# KiCad board issue22475.kicad_pcb (continued)
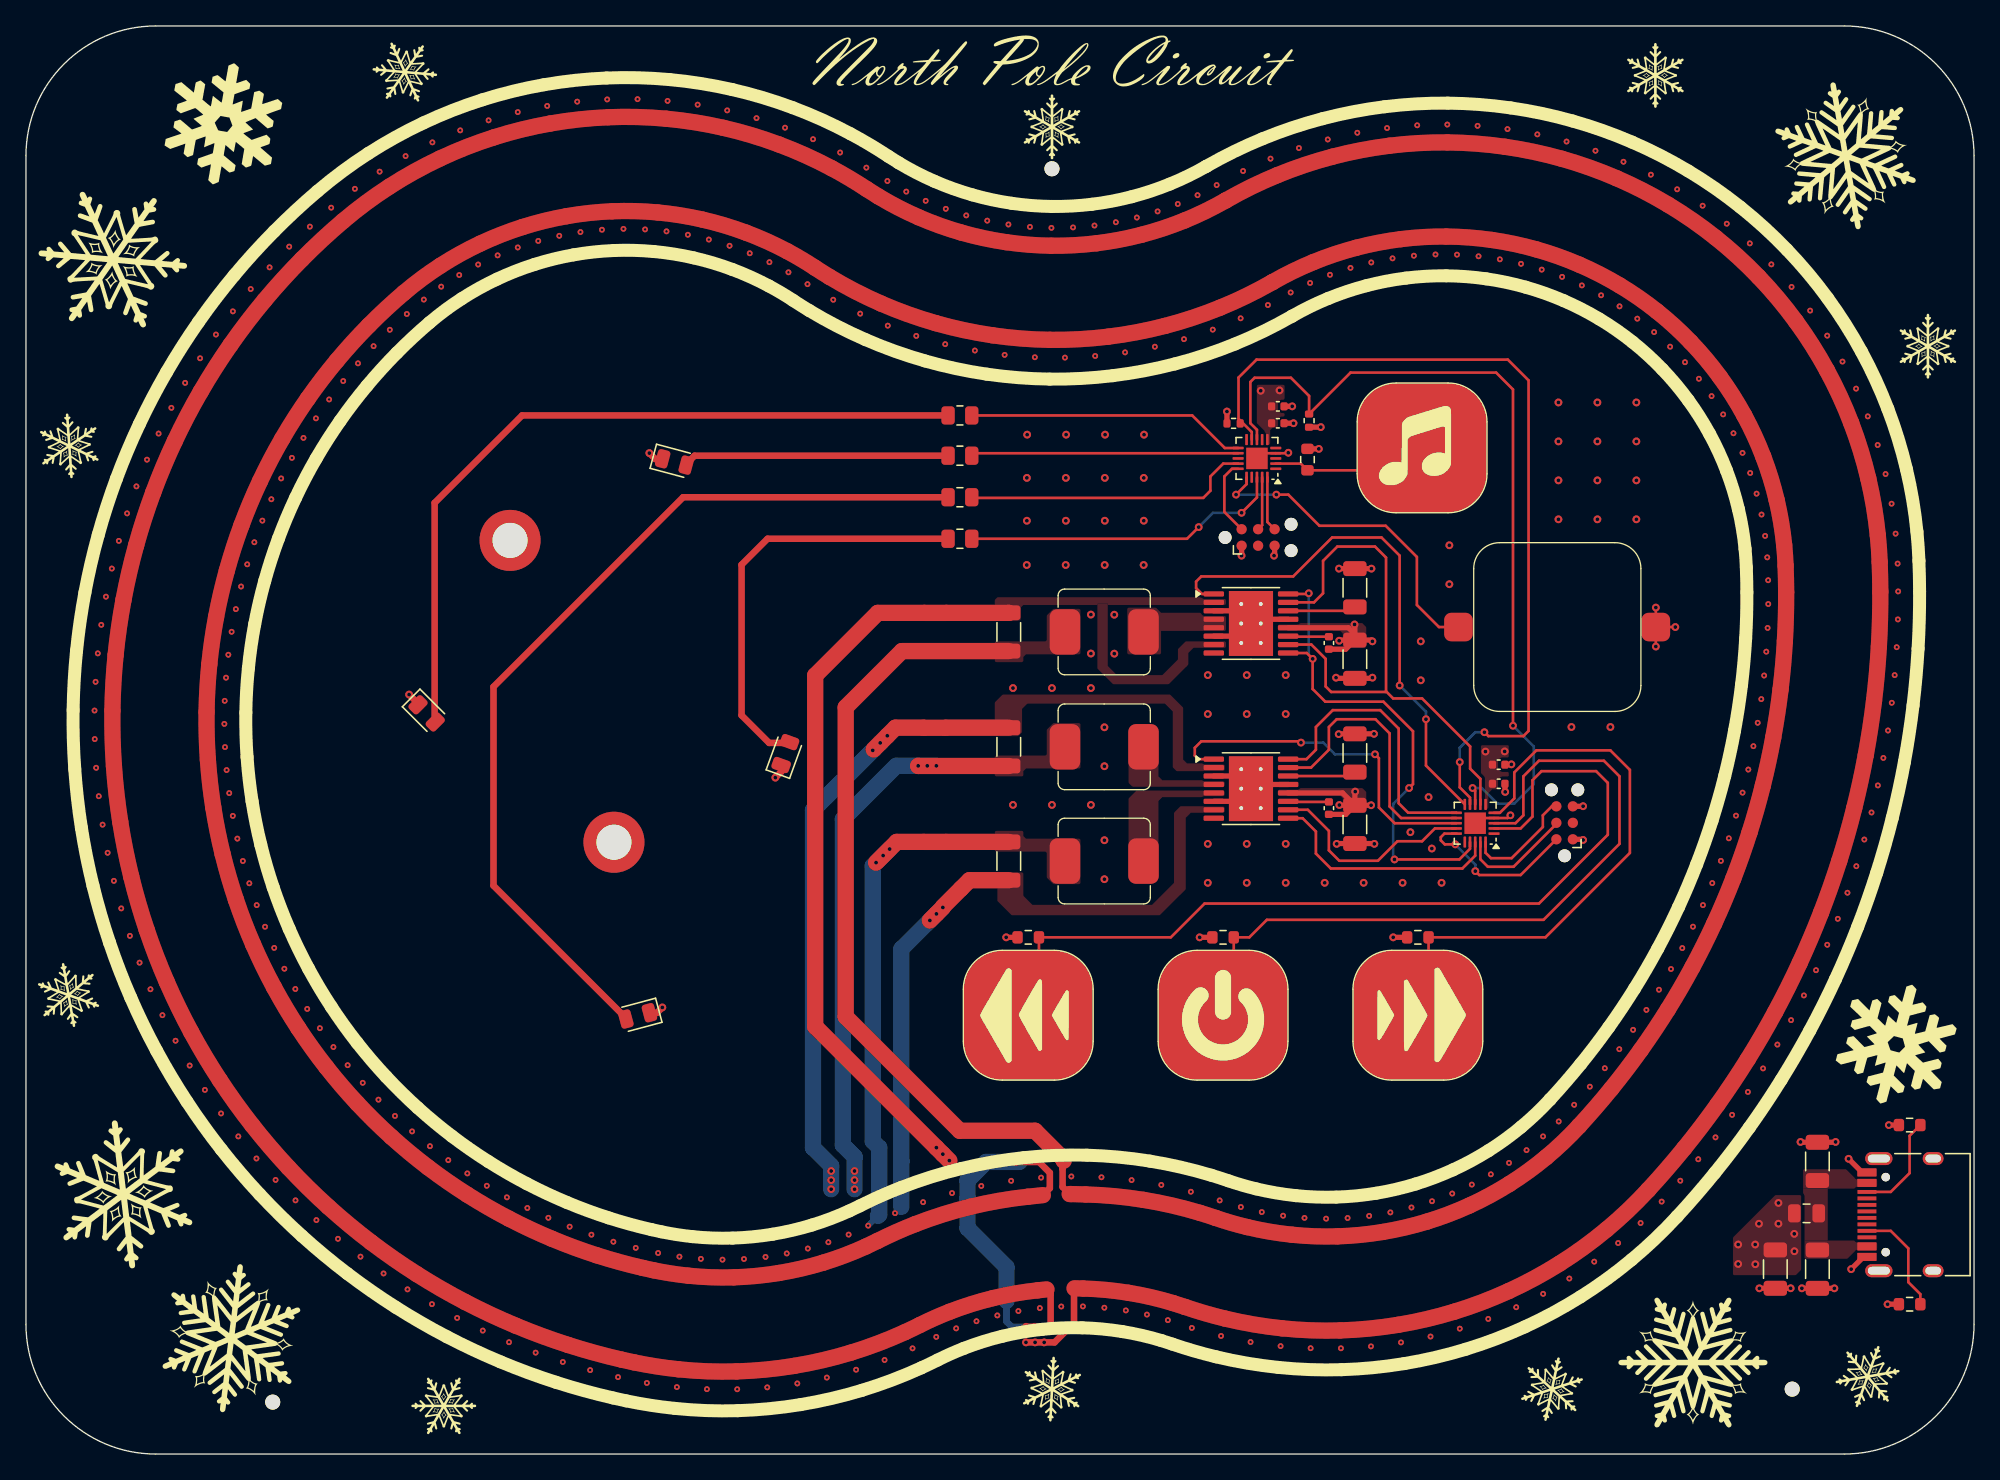
[diagram p0: board, top side]
## Routing (per net, layer and track width the routed paths; a pad name or vN(x,y) marks a point on that pad's centre or on a via; arc(x,y) is an arc through that point) (continued)
/LED1: length 21.5
  Top w0.2: R5.1 89.8,80 92.31,77.49 U4.11
/LED2: length 20.6
  Top w0.2: U4.12 73.01,77.09 R4.1
/LED3: length 22.3
  Top w0.2: U4.14 92.19,76.29 91.2,75.3 91.2,74.2 90.65,73.65 72.88,73.65 R3.1
/LED4: length 24.8
  Top w0.2: R6.1 89.4,70.5 v1(90.3,71.4) ; U4.18 94.78,73.69 v1(93.6,72.5)
  Bottom w0.2: v1(90.3,71.4) 91.4,72.5 v1(93.6,72.5)
/MUSIC: length 12.2
  Top w0.2: TP6.1 105.78,75.78 98.68,75.78 98.16,76.29 96.24,76.29
/PWM_A1: length 22.2
  Top w0.2: U3.11 110.13,49.4 106.43,49.4 105.7,50.12 105.7,55.88 104.28,57.3 100.62,57.3 99.32,56 99.32,54.25 98.6,53.53 U2.16
/PWM_A2: length 22
  Top w0.2: U2.15 98.95,52.88 100.32,54.25 100.32,56 100.93,56.6 103.91,56.6 105,55.51 105,49.88 105.88,48.99 U3.12
/PWM_B1: length 18.5
  Top w0.2: U3.18 111.59,46.09 110.6,45.1 100.47,45.1 99.32,46.25 99.32,47.95 98.3,48.97 U2.9
/PWM_B2: length 16.5
  Top w0.2: U2.10 98.7,49.62 100.32,48 100.32,46.5 101.12,45.7 104.1,45.7 105.6,47.2 107.5,47.2 108.49,48.19 U3.14
/PWM_G1: length 37.5
  Top w0.2: v1(98.78,66.3) 98.72,66.25 U1.16 ; U1.9 98.62,61.7 v1(99.07,61.25) 99.07,58.92 100.05,57.95 104.53,57.95 106.8,55.67 106.8,51.6 v1(106.5,51.3) ; U3.17 111.19,46.62 110.37,45.8 v1(105.38,45.8)
  Bottom w0.2: v1(98.78,66.3) 98.78,61.55 v1(99.07,61.25) ; v1(105.38,45.8) 105.28,45.9 105.28,50.08 v1(106.5,51.3)
/PWM_G2: length 44.8
  Top w0.2: U3.7 111.99,52 111.2,52.79 111.2,54.5 107.5,58.2 105.28,58.2 104.72,58.75 ; U1.10 98.97,62.35 100.07,61.25 100.07,59.12 100.5,58.7 104.68,58.7 104.72,58.75 ; U1.15 99.18,65.6 99.88,66.3 99.88,68.8 100.97,69.9 103.88,69.9 104.72,69.05 104.72,58.75
/RUN: length 58.1
  Top w0.2: U3.3 114.69,48.59 115.3,49.2 115.3,52.2 116.5,53.4 121.5,53.4 122.7,52.2 122.7,47 116.85,41.15 95.55,41.15 94.2,39.8 R8.2 93,34.62 TP4.1
/RX0: length 8.9
  Top w0.2: J2.4 117.84,48.53 114.54,45.23 112.57,45.23 111.99,45.81 U3.19
/RX1: length 4.1
  Top w0.2: J3.4 95.19,71.55 U4.19
/SCL: length 66.5
  Top w0.2: v1(110.4,53.3) 110.4,51.35 111.19,50.56 U3.9 ; v1(112.3,55.6) 112.6,55.3 115.3,55.3 115.7,55.7 115.7,82.7 114.1,84.3 94.75,84.3 93.37,82.92 93.37,79.74 94.38,78.72 U4.9
  Bottom w0.2: v1(112.3,55.6) 111.6,55.6 110.4,54.4 v1(110.4,53.3)
/SDA: length 67.1
  Top w0.2: v1(114.5,56.1) 114.5,82 113.2,83.3 101.99,83.3 R11.2 98.8,81.5 97.4,82.9 94.6,82.9 94.28,82.58 94.28,79.4 94.78,78.89 U4.8 ; v1(111.39,51.3) 111.59,51.1 U3.8
  Bottom w0.2: v1(111.39,51.3) 112.1,51.3 113.3,50.1 114.6,50.1 116.1,51.6 116.1,54.5 v1(114.5,56.1)
/SLEEP_G: length 40.9
  Top w0.2: U3.10 107.8,53.03 v1(107.8,56.6) ; v1(105.78,59.2) 105.78,69.2 104.38,70.6 100.57,70.6 97.57,67.6 90.5,67.6 90.1,67.2 90.1,66.7 90.55,66.25 U1.1
  Bottom w0.2: v1(107.8,56.6) 107.8,57.17 v1(105.78,59.2)
/SLEEP_PH: length 27.4
  Top w0.2: v1(98.18,54.8) 98.07,54.9 90.5,54.9 90,54.4 90,53.8 90.28,53.53 U2.1 ; U3.13 105.38,48.59 104.18,49.8 104.18,53.6 v1(103.88,53.9)
  Bottom w0.2: v1(103.88,53.9) 100.79,53.9 99.89,54.8 v1(98.18,54.8)
/SPD++: length 45.2
  Top w0.2: U3.5 113.49,49.39 114.6,50.5 114.6,52.5 116.3,54.2 122,54.2 123.5,52.7 123.5,46.3 117,39.8 R9.2 108,34.62 TP5.1
/SPD--: length 70.2
  Top w0.2: U3.2 115.09,48.19 116,49.1 116,51.9 116.7,52.6 120.9,52.6 121.8,51.7 121.8,47.7 116.5,42.4 90.75,42.4 88.15,39.8 R7.2 ; R7.2 78,34.62 TP3.1 ; R7.2 78.1,39.7
/SWDIO0: length 13.1
  Top w0.2: v1(110.06,46.96) 109.25,46.96 108.94,47.27 108.94,47.51 109.22,47.79 110.16,47.79 ; J2.2 115.09,44.6 111.9,44.6 v1(111.6,44.9)
  Bottom w0.2: v1(111.6,44.9) 111.6,45.4 110,47
/SWDIO1: length 5.9
  Top w0.2: J3.2 92.28,72.56 92.28,75.3 92.87,75.89 U4.15
/TX0: length 8.6
  Top w0.2: J2.6 117.49,49.89 116.8,49.2 116.8,48.3 114.4,45.9 112.8,45.9 112.39,46.31 U3.20
/TX1: length 4.2
  Top w0.2: J3.6 95.59,71.8 U4.20
Net-(D1-A): length 70.9
  Top w0.5: 46.25,33.52 36,43.78 36,59.1 50.6,73.7 R3.2
Net-(D2-A): length 20.5
  Top w0.5: 50.78,76.19 51.48,76.9 R4.2
Net-(D3-A): length 59.2
  Top w0.5: 31.47,56.43 31.47,73.27 38.2,80 R5.2
Net-(D4-A): length 32.9
  Top w0.5: R6.2 57.1,70.5 55.1,68.5 55.1,56.9 57.22,54.78 58.77,54.78
Net-(U1-AOUT2): length 1.8
  Top w0.2: 87.03,64.3 L1.1 86.38,63.65
Net-(U1-VCP): length 3.2
  Top w0.2: C6.2 97.23,62.95 U1.11
Net-(U1-VINT): length 5.3
  Top w0.2: U1.14 102.03,64.95 C5.2
Net-(U2-BOUT2): length 0.1
  Top w0.2: 86.05,45.8 L3.1
Net-(U2-VCP): length 3.4
  Top w0.2: 100.17,50.39 C10.2 97.23,50.23 U2.11
Net-(U2-VINT): length 5.3
  Top w0.2: C9.2 102.03,52.22 U2.14

## Copper pours and planes (outline as drawn; the poured copper is in the pictures)
+5V on Top: 112.03,54.6 112.03,49.6 112.6,49.6 112.6,50.9 112.9,51.2 113.3,51.2 114.18,52.08 114.18,54.6
+5V on Top: 94.78,82.36 94.78,79.4 95.38,78.8 95.38,77.56 95.8,77.56 95.8,78.86 96,79.06 96.3,79.06 96.91,79.67 96.91,82.36
+5V on Top: 136.69,19.94 134.7,19.94 131.44,16.68 131.44,13.78 136.28,13.78 136.69,14.19
+5V on Top: 96.4,63.4 101.2,63.4 101.4,63.2 101.4,62.2 101.5,62.1 103.2,62.1 103.2,63.7 102.9,64 96.5,64 96.4,63.9
+5V on Top: 96.4,50.7 101.2,50.7 101.4,50.5 101.4,49.5 101.5,49.4 103.2,49.4 103.2,51 102.9,51.3 96.5,51.3 96.4,51.2
+5V on Bottom: -9,114 156,114 156,-5 -9,-5
GND on In1.Cu: 17.58,46.43 48.83,16.5 56.86,16.2 64.54,18.56 78.29,22.32 92.42,20.45 106.09,19.88 117.85,26.87 129.62,46.1 133.16,68.36 120.8,88.43 97.23,88.25 78.18,83.49 59.47,89.42 44.79,93.35 30.69,87.66
GND on In2.Cu: -9,114 156,114 156,-5 -9,-5
VDD on Top: 136.84,15.04 140.24,15.04 140.74,15.54 142.54,15.54 142.54,16.44 136.84,16.44
VDD on Top: 136.84,21.94 140.14,21.94 140.74,21.34 142.54,21.34 142.54,20.44 136.84,20.44
VDD on Top: 136.84,20.44 136.84,16.44 138.74,16.44 138.74,20.44
/A1_OUT on Top: 92.3,53.2 89.4,53.2 89.1,53.5 89.1,57.5 88.1,58.5 75.2,58.5 74.6,57.9 74.6,55.6 74.9,55.3 76.4,55.3 76.7,55.6 76.7,57.4 77.1,57.8 87.7,57.8 88.3,57.2 88.3,52.9 88.6,52.6 92.3,52.6
/A2_OUT on Top: 74.6,53.8 74.6,52.2 76.8,52.2 76.8,52.6 77,52.8 81.2,52.8 81.2,56.3 79.1,56.3 78.6,55.8 78.6,53.9 78.5,53.8
/B1_OUT on Top: 92.3,49.9 92.3,49.4 89.7,49.4 89.3,49 89.3,43.5 87.3,41.5 75.9,41.5 74.8,42.6 74.8,44.8 76.8,44.8 76.8,43 77.5,42.3 86.7,42.3 88.4,44 88.4,49.4 88.9,49.9
/B2_OUT on Top: 74.6,46.4 74.6,48 76.8,48 76.8,47.6 77,47.4 81.2,47.4 81.2,43.9 79.1,43.9 78.6,44.4 78.6,46.3 78.5,46.4
/G1_OUT on Top: 92.4,62.6 92.4,62.1 89.9,62.1 89.5,61.7 89.5,60.8 88,59.3 83.7,59.3 82.5,60.5 82.5,65.5 83.3,65.5 83.3,60.7 84,60 87.5,60 88.7,61.2 88.7,62 89.3,62.6
/G1_OUT on Top: 92.4,65.8 92.4,65.4 76.8,65.4 76.6,65.2 76.6,64.2 74.6,64.2 74.6,65.8 74.8,66 92.2,66
/G2_OUT on Top: 74.6,62.6 74.6,61 76.8,61 76.8,61.4 77,61.6 81.2,61.6 81.2,65.1 79.1,65.1 78.6,64.6 78.6,62.7 78.5,62.6
Net-(U1-AOUT2) on Top: 84.8,61.6 87.4,61.6 87.4,63.4 92.4,63.4 92.4,64.8 87.4,64.8 87,65.2 84.8,65.2
Net-(U2-AOUT2) on Top: 84.9,54.5 87.2,54.5 87.2,52.2 87.5,51.9 92.3,51.9 92.3,51.4 85.2,51.4 84.9,51.7
Net-(U2-BOUT2) on Top: 84.9,45.7 87.2,45.7 87.2,50.3 87.5,50.6 92.3,50.6 92.3,51.1 85.5,51.1 84.9,50.5

## Text on the board
B.Silkscreen: USB 2.0 / INPUT: 5V         0.5A  2.5W
User.Comments: Decorations | Electronics
